# Altium PCB PCB2.PcbDoc (part 8 of 9)
Units mil, origin at the board's own origin, x right, y up, seen from the top; angles counter-clockwise.
Board outline 7580 x 7350 mil, 6 copper layers (Signal 1, Ground 1, 2V5 and 0V6, n2V5 and n0V6, Ground 2, Signal 2), stack 52.268 mil thick; 572 components, 533 nets, 2081 pads, 679 vias.
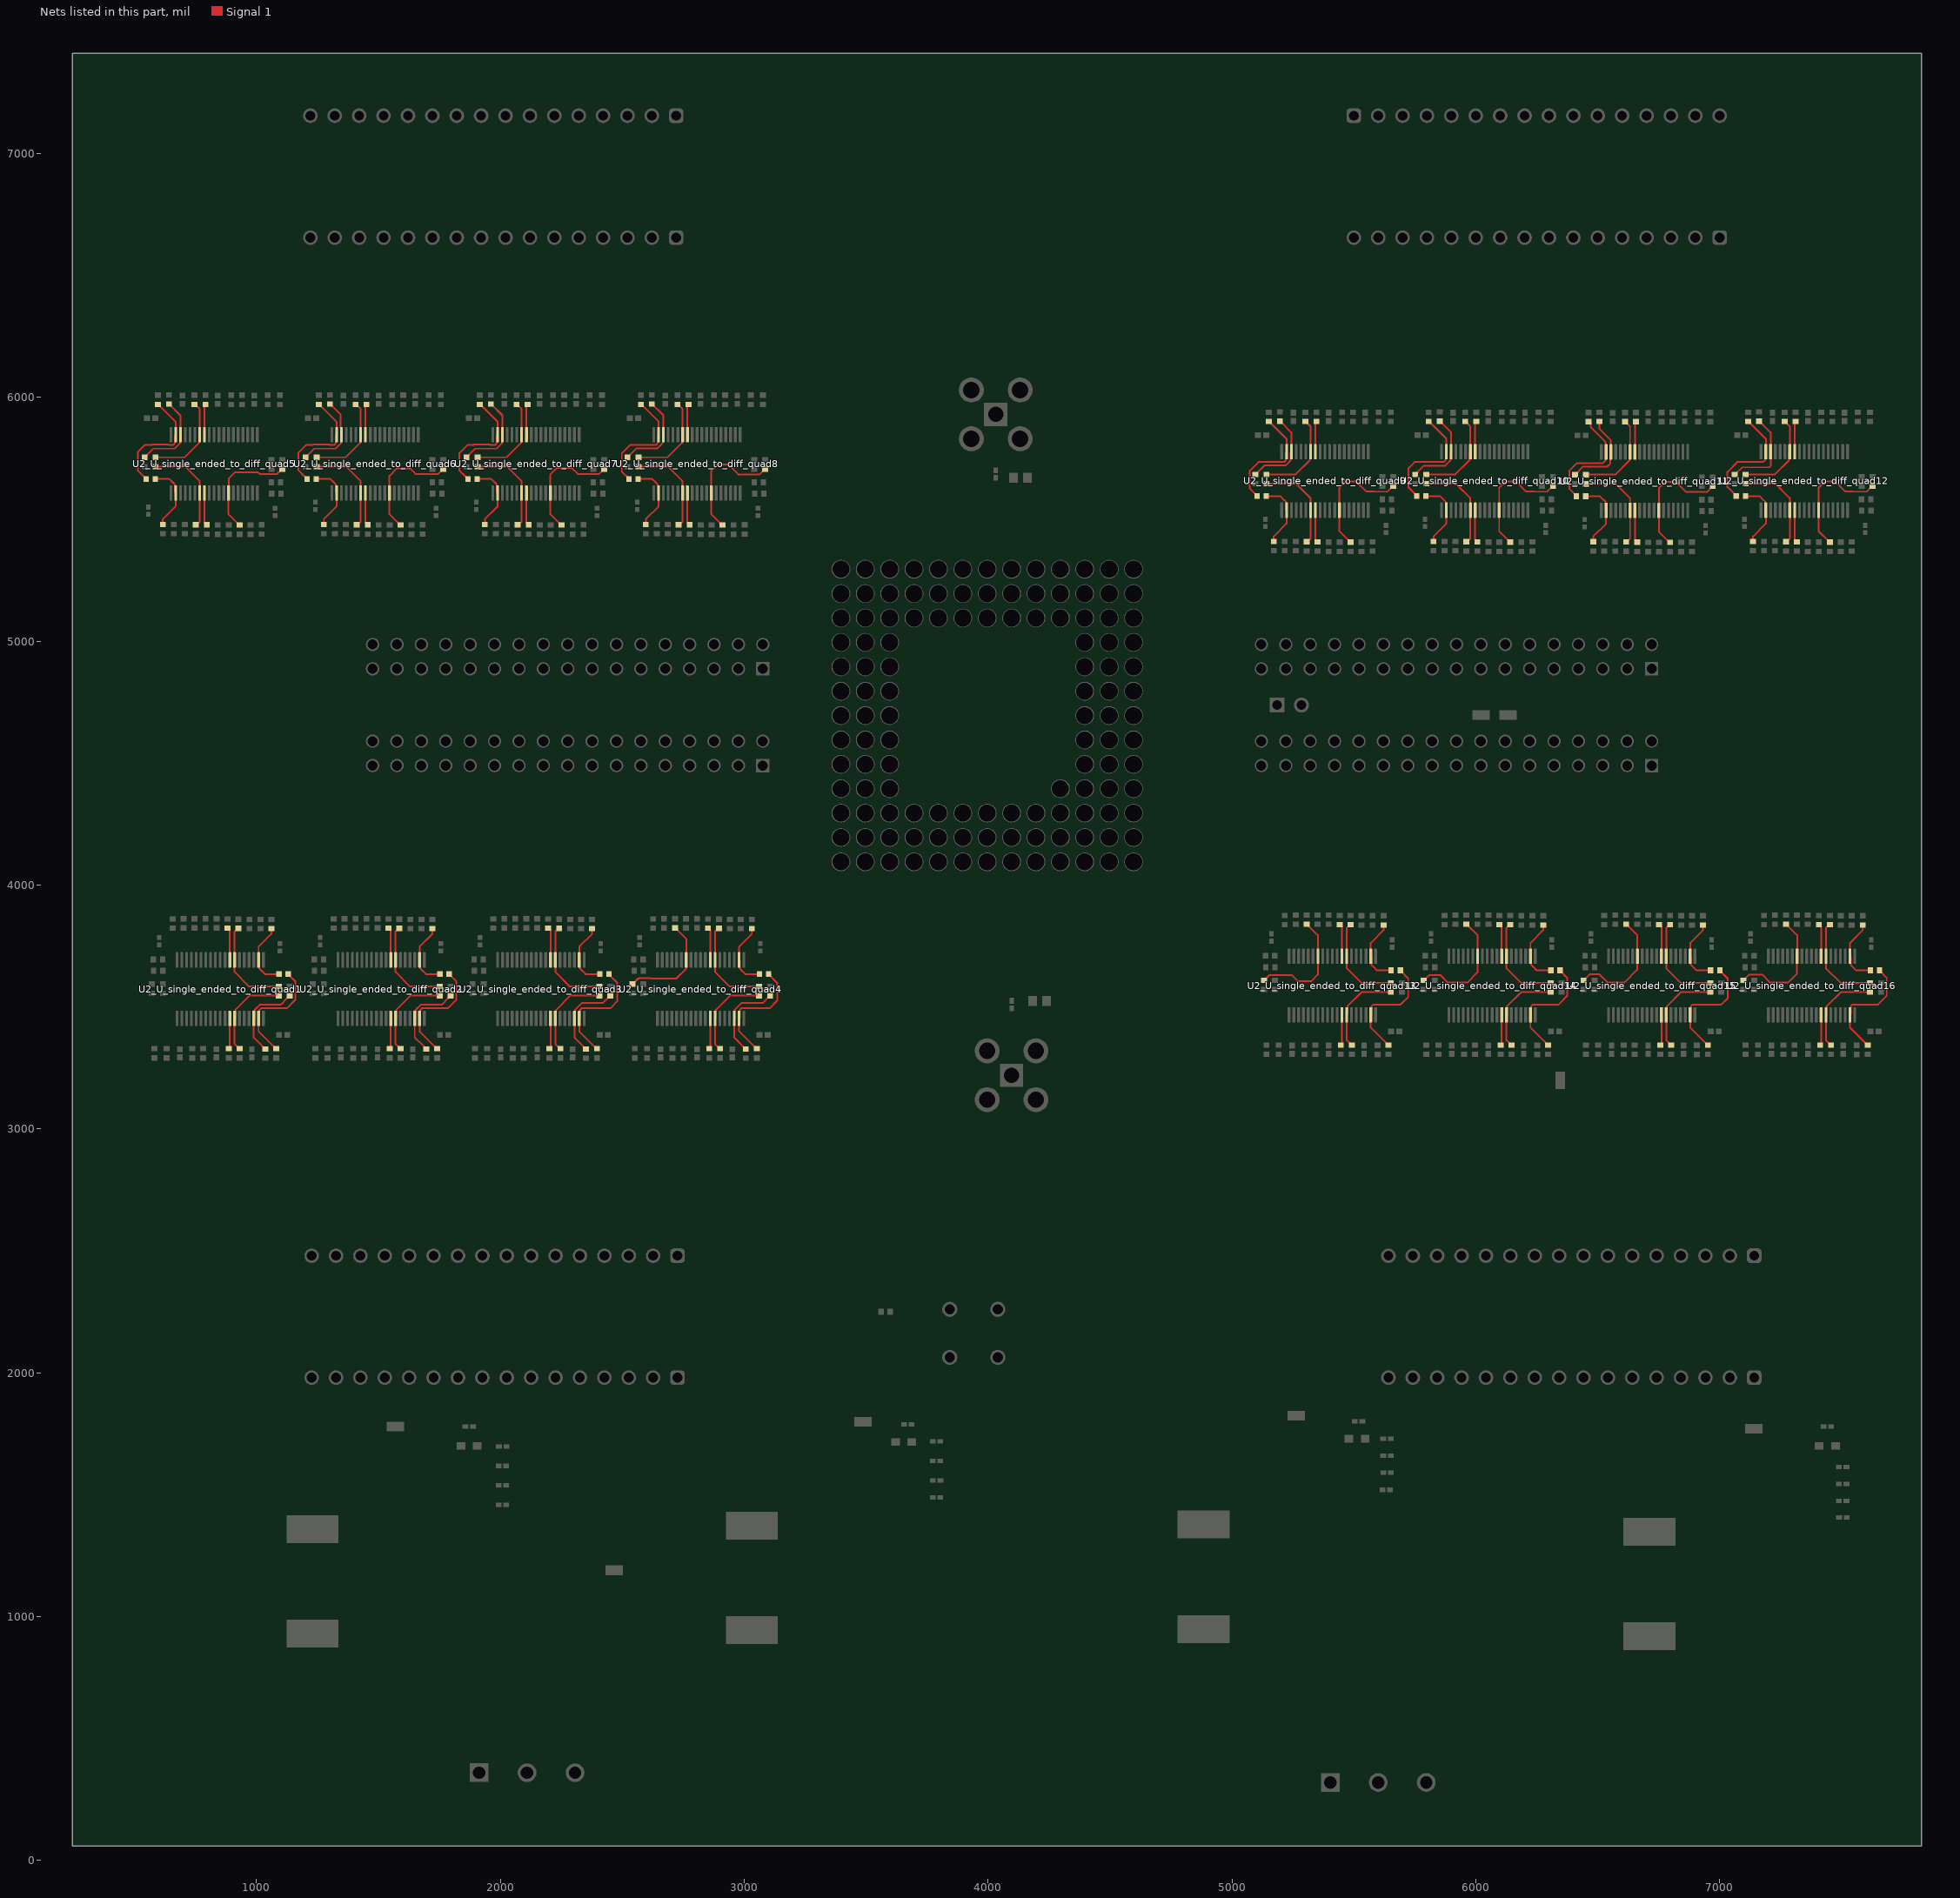
[diagram p12: the nets of this part, all layers, seen from the top]

## Via types
v1: diameter 24, hole 12, Signal 1 to Signal 2, tented both sides, 679 vias

## Nets (pads, with @x,y where several pads share a name; then routed paths per layer and width w, separated by ;. In a path a pad name is that pad's centre, name@x,y a point inside that pad or via, vN(x,y) a via of type N, cw(c..) or ccw(c..) an arc to the next point about the centre after c; other vN are vias at no path point) (continued)
NetR18_U_single_ended_to_diff_quad4_2: R18_U_single_ended_to_diff_quad4.2 R19_U_single_ended_to_diff_quad4.2 U2_U_single_ended_to_diff_quad4.32 | length 435.8
  Signal 1 w6: R18_U_single_ended_to_diff_quad4.2@2716.68,3823.9 R18_U_single_ended_to_diff_quad4.2@2717.86,3823.9
  Signal 1 w7: R19_U_single_ended_to_diff_quad4.2@2539.3,3596.28 2545.24,3596.28 2565.34,3616.38 2567.55,3616.38 2569.09,3617.92 2619.57,3617.92 2621.11,3616.38 2721.09,3616.38 2761.85,3657.13 2761.85,3692.09 U2_U_single_ended_to_diff_quad4.32@2762.63,3692.87 2762.63,3779.13 R18_U_single_ended_to_diff_quad4.2@2717.86,3823.9
NetR18_U_single_ended_to_diff_quad5_2: R18_U_single_ended_to_diff_quad5.2 R19_U_single_ended_to_diff_quad5.2 U2_U_single_ended_to_diff_quad5.32 | length 454.6
  Signal 1 w7: R18_U_single_ended_to_diff_quad5.2@931.68,5476.1 930.5,5476.1 885.74,5520.87 U2_U_single_ended_to_diff_quad5.32@885.74,5607.13 886.52,5607.91 886.52,5666.52 913,5693 1005.66,5693 1013.08,5685.58 1084.98,5685.58 1103.12,5703.72 R19_U_single_ended_to_diff_quad5.2@1109.06,5703.72
NetR18_U_single_ended_to_diff_quad6_2: R18_U_single_ended_to_diff_quad6.2 R19_U_single_ended_to_diff_quad6.2 U2_U_single_ended_to_diff_quad6.32 | length 474.8
  Signal 1 w7: R18_U_single_ended_to_diff_quad6.2@1591.68,5476.1 1590.5,5476.1 1545.74,5520.87 U2_U_single_ended_to_diff_quad6.32@1545.74,5607.13 1545.74,5677.74 1577,5709 1629.35,5709 1652.77,5685.58 1744.98,5685.58 1763.12,5703.72 R19_U_single_ended_to_diff_quad6.2@1769.06,5703.72
NetR18_U_single_ended_to_diff_quad7_2: R18_U_single_ended_to_diff_quad7.2 R19_U_single_ended_to_diff_quad7.2 U2_U_single_ended_to_diff_quad7.32 | length 478.8
  Signal 1 w7: R18_U_single_ended_to_diff_quad7.2@2251.68,5476.1 2250.5,5476.1 2205.74,5520.87 U2_U_single_ended_to_diff_quad7.32@2205.74,5607.13 2205.74,5683.74 2231.5,5709.5 2294.11,5709.5 2318.03,5685.58 2404.98,5685.58 2423.12,5703.72 R19_U_single_ended_to_diff_quad7.2@2429.06,5703.72
NetR18_U_single_ended_to_diff_quad8_2: R18_U_single_ended_to_diff_quad8.2 R19_U_single_ended_to_diff_quad8.2 U2_U_single_ended_to_diff_quad8.32 | length 502.7
  Signal 1 w7: R18_U_single_ended_to_diff_quad8.2@2911.68,5476.1 2910.5,5476.1 2865.74,5520.87 U2_U_single_ended_to_diff_quad8.32@2865.74,5607.13 2865.74,5699.06 2891.68,5725 2934.72,5725 2976.1,5683.62 3007.25,5683.62 3007.79,5683.08 3062.48,5683.08 3083.12,5703.72 R19_U_single_ended_to_diff_quad8.2@3089.06,5703.72
NetR18_U_single_ended_to_diff_quad9_2: R18_U_single_ended_to_diff_quad9.2 R19_U_single_ended_to_diff_quad9.2 U2_U_single_ended_to_diff_quad9.32 | length 502.7
  Signal 1 w7: R18_U_single_ended_to_diff_quad9.2@5486.68,5406.1 5485.5,5406.1 5440.74,5450.87 U2_U_single_ended_to_diff_quad9.32@5440.74,5537.13 5440.74,5629.06 5466.68,5655 5509.72,5655 5551.1,5613.62 5582.25,5613.62 5582.79,5613.08 5637.48,5613.08 5658.12,5633.72 R19_U_single_ended_to_diff_quad9.2@5664.06,5633.72
NetR18_U_single_ended_to_diff_quad10_2: R18_U_single_ended_to_diff_quad10.2 R19_U_single_ended_to_diff_quad10.2 U2_U_single_ended_to_diff_quad10.32 | length 502.7
  Signal 1 w7: R18_U_single_ended_to_diff_quad10.2@6141.68,5406.1 6140.5,5406.1 6095.74,5450.87 U2_U_single_ended_to_diff_quad10.32@6095.74,5537.13 6095.74,5629.06 6121.68,5655 6164.72,5655 6206.1,5613.62 6237.25,5613.62 6237.79,5613.08 6292.48,5613.08 6313.12,5633.72 R19_U_single_ended_to_diff_quad10.2@6319.06,5633.72
NetR18_U_single_ended_to_diff_quad11_2: R18_U_single_ended_to_diff_quad11.2 R19_U_single_ended_to_diff_quad11.2 U2_U_single_ended_to_diff_quad11.32 | length 502.7
  Signal 1 w7: R18_U_single_ended_to_diff_quad11.2@6796.68,5405 6795.5,5405 6750.74,5449.76 U2_U_single_ended_to_diff_quad11.32@6750.74,5536.02 6750.74,5627.95 6776.68,5653.9 6819.72,5653.9 6861.1,5612.52 6892.25,5612.52 6892.79,5611.98 6947.48,5611.98 6968.12,5632.62 R19_U_single_ended_to_diff_quad11.2@6974.06,5632.62
NetR18_U_single_ended_to_diff_quad12_2: R18_U_single_ended_to_diff_quad12.2 R19_U_single_ended_to_diff_quad12.2 U2_U_single_ended_to_diff_quad12.32 | length 502.7
  Signal 1 w7: R18_U_single_ended_to_diff_quad12.2@7451.68,5406.1 7450.5,5406.1 7405.74,5450.87 U2_U_single_ended_to_diff_quad12.32@7405.74,5537.13 7405.74,5629.06 7431.68,5655 7474.72,5655 7516.1,5613.62 7547.25,5613.62 7547.79,5613.08 7602.48,5613.08 7623.12,5633.72 R19_U_single_ended_to_diff_quad12.2@7629.06,5633.72
NetR18_U_single_ended_to_diff_quad13_2: R18_U_single_ended_to_diff_quad13.2 R19_U_single_ended_to_diff_quad13.2 U2_U_single_ended_to_diff_quad13.32 | length 473.7
  Signal 1 w7: R19_U_single_ended_to_diff_quad13.2@5135.24,3611.28 5154.89,3630.92 5245.43,3630.92 5271.35,3605 5325,3605 5352.63,3632.63 U2_U_single_ended_to_diff_quad13.32@5352.63,3707.87 5352.63,3794.13 5307.86,3838.9 R18_U_single_ended_to_diff_quad13.2@5306.68,3838.9
NetR18_U_single_ended_to_diff_quad14_2: R18_U_single_ended_to_diff_quad14.2 R19_U_single_ended_to_diff_quad14.2 U2_U_single_ended_to_diff_quad14.32 | length 472
  Signal 1 w7: R19_U_single_ended_to_diff_quad14.2@5790.24,3611.28 5809.89,3630.92 5854.08,3630.92 5885,3600 5965,3600 6006.85,3641.85 6006.85,3707.09 U2_U_single_ended_to_diff_quad14.32@6007.63,3707.87 6007.63,3794.13 5962.86,3838.9 R18_U_single_ended_to_diff_quad14.2@5961.68,3838.9
NetR18_U_single_ended_to_diff_quad15_2: R18_U_single_ended_to_diff_quad15.2 R19_U_single_ended_to_diff_quad15.2 U2_U_single_ended_to_diff_quad15.32 | length 468.4
  Signal 1 w7: R19_U_single_ended_to_diff_quad15.2@6445.24,3611.28 6468.97,3635 6505,3635 6539,3601 6610.49,3601 6661.85,3652.36 6661.85,3707.09 U2_U_single_ended_to_diff_quad15.32@6662.63,3707.87 6662.63,3794.13 6617.86,3838.9 R18_U_single_ended_to_diff_quad15.2@6616.68,3838.9
NetR18_U_single_ended_to_diff_quad16_2: R18_U_single_ended_to_diff_quad16.2 R19_U_single_ended_to_diff_quad16.2 U2_U_single_ended_to_diff_quad16.32 | length 476.6
  Signal 1 w7: R19_U_single_ended_to_diff_quad16.2@7100.24,3611.28 7121.89,3632.92 7174.57,3632.92 7207.49,3600 7280,3600 7316.85,3636.85 7316.85,3707.09 U2_U_single_ended_to_diff_quad16.32@7317.63,3707.87 7317.63,3794.13 7272.86,3838.9 R18_U_single_ended_to_diff_quad16.2@7271.68,3838.9
NetR20_U_single_ended_to_diff_quad1_1: R20_U_single_ended_to_diff_quad1.1 R21_U_single_ended_to_diff_quad1.2 U2_U_single_ended_to_diff_quad1.13 | length 371.6
  Signal 1 w7: R21_U_single_ended_to_diff_quad1.2@931.68,3328.9 930.5,3328.9 910.74,3348.66 U2_U_single_ended_to_diff_quad1.13@910.74,3452.72 913.52,3455.5 913.52,3487.63 971.99,3546.1 R20_U_single_ended_to_diff_quad1.1@1091.68,3546.1
NetR20_U_single_ended_to_diff_quad1_2: R20_U_single_ended_to_diff_quad1.2 R22_U_single_ended_to_diff_quad1.2 U2_U_single_ended_to_diff_quad1.26 | length 393.4
  Signal 1 w6: R22_U_single_ended_to_diff_quad1.2@925.5,3823.9 R22_U_single_ended_to_diff_quad1.2@926.68,3823.9
  Signal 1 w7: R22_U_single_ended_to_diff_quad1.2@925.5,3823.9 910.74,3809.13 U2_U_single_ended_to_diff_quad1.26@910.74,3692.87 910.74,3643.42 970.26,3583.9 R20_U_single_ended_to_diff_quad1.2@1091.68,3583.9
NetR20_U_single_ended_to_diff_quad2_1: R20_U_single_ended_to_diff_quad2.1 R21_U_single_ended_to_diff_quad2.2 U2_U_single_ended_to_diff_quad2.13 | length 371.6
  Signal 1 w7: R21_U_single_ended_to_diff_quad2.2@1591.68,3328.9 1590.5,3328.9 1570.74,3348.66 U2_U_single_ended_to_diff_quad2.13@1570.74,3452.72 1573.52,3455.5 1573.52,3487.63 1631.99,3546.1 R20_U_single_ended_to_diff_quad2.1@1751.68,3546.1
NetR20_U_single_ended_to_diff_quad2_2: R20_U_single_ended_to_diff_quad2.2 R22_U_single_ended_to_diff_quad2.2 U2_U_single_ended_to_diff_quad2.26 | length 393.4
  Signal 1 w7: R22_U_single_ended_to_diff_quad2.2@1586.68,3823.9 1585.5,3823.9 1570.74,3809.13 U2_U_single_ended_to_diff_quad2.26@1570.74,3692.87 1570.74,3643.42 1630.26,3583.9 R20_U_single_ended_to_diff_quad2.2@1751.68,3583.9
NetR20_U_single_ended_to_diff_quad3_1: R20_U_single_ended_to_diff_quad3.1 R21_U_single_ended_to_diff_quad3.2 U2_U_single_ended_to_diff_quad3.13 | length 371.6
  Signal 1 w7: R21_U_single_ended_to_diff_quad3.2@2246.68,3328.9 2245.5,3328.9 2225.74,3348.66 U2_U_single_ended_to_diff_quad3.13@2225.74,3452.72 2228.52,3455.5 2228.52,3487.63 2286.99,3546.1 R20_U_single_ended_to_diff_quad3.1@2406.68,3546.1
NetR20_U_single_ended_to_diff_quad3_2: R20_U_single_ended_to_diff_quad3.2 R22_U_single_ended_to_diff_quad3.2 U2_U_single_ended_to_diff_quad3.26 | length 393.4
  Signal 1 w6: R22_U_single_ended_to_diff_quad3.2@2240.5,3823.9 R22_U_single_ended_to_diff_quad3.2@2241.68,3823.9
  Signal 1 w7: R22_U_single_ended_to_diff_quad3.2@2240.5,3823.9 2225.74,3809.13 U2_U_single_ended_to_diff_quad3.26@2225.74,3692.87 2225.74,3643.42 2285.26,3583.9 R20_U_single_ended_to_diff_quad3.2@2406.68,3583.9
NetR20_U_single_ended_to_diff_quad4_1: R20_U_single_ended_to_diff_quad4.1 R21_U_single_ended_to_diff_quad4.2 U2_U_single_ended_to_diff_quad4.13 | length 371.6
  Signal 1 w7: R21_U_single_ended_to_diff_quad4.2@2901.68,3328.9 2900.5,3328.9 2880.74,3348.66 U2_U_single_ended_to_diff_quad4.13@2880.74,3452.72 2883.52,3455.5 2883.52,3487.63 2941.99,3546.1 R20_U_single_ended_to_diff_quad4.1@3061.68,3546.1
NetR20_U_single_ended_to_diff_quad4_2: R20_U_single_ended_to_diff_quad4.2 R22_U_single_ended_to_diff_quad4.2 U2_U_single_ended_to_diff_quad4.26 | length 393.4
  Signal 1 w6: R22_U_single_ended_to_diff_quad4.2@2895.5,3823.9 R22_U_single_ended_to_diff_quad4.2@2896.68,3823.9
  Signal 1 w7: R22_U_single_ended_to_diff_quad4.2@2895.5,3823.9 2880.74,3809.13 U2_U_single_ended_to_diff_quad4.26@2880.74,3692.87 2880.74,3643.42 2940.26,3583.9 R20_U_single_ended_to_diff_quad4.2@3061.68,3583.9
NetR20_U_single_ended_to_diff_quad5_1: R20_U_single_ended_to_diff_quad5.1 R21_U_single_ended_to_diff_quad5.2 U2_U_single_ended_to_diff_quad5.13 | length 371.6
  Signal 1 w7: R20_U_single_ended_to_diff_quad5.1@586.68,5753.9 706.37,5753.9 764.85,5812.37 764.85,5844.5 U2_U_single_ended_to_diff_quad5.13@767.63,5847.28 767.63,5951.34 747.86,5971.1 R21_U_single_ended_to_diff_quad5.2@746.68,5971.1
NetR20_U_single_ended_to_diff_quad5_2: R20_U_single_ended_to_diff_quad5.2 R22_U_single_ended_to_diff_quad5.2 U2_U_single_ended_to_diff_quad5.26 | length 393.4
  Signal 1 w7: R20_U_single_ended_to_diff_quad5.2@586.68,5716.1 708.11,5716.1 767.63,5656.58 U2_U_single_ended_to_diff_quad5.26@767.63,5607.13 767.63,5490.87 752.86,5476.1 R22_U_single_ended_to_diff_quad5.2@751.68,5476.1
NetR20_U_single_ended_to_diff_quad6_1: R20_U_single_ended_to_diff_quad6.1 R21_U_single_ended_to_diff_quad6.2 U2_U_single_ended_to_diff_quad6.13 | length 371.6
  Signal 1 w7: R20_U_single_ended_to_diff_quad6.1@1246.68,5753.9 1366.37,5753.9 1424.85,5812.37 1424.85,5844.5 U2_U_single_ended_to_diff_quad6.13@1427.63,5847.28 1427.63,5951.34 1407.86,5971.1 R21_U_single_ended_to_diff_quad6.2@1406.68,5971.1
NetR20_U_single_ended_to_diff_quad6_2: R20_U_single_ended_to_diff_quad6.2 R22_U_single_ended_to_diff_quad6.2 U2_U_single_ended_to_diff_quad6.26 | length 393.4
  Signal 1 w7: R20_U_single_ended_to_diff_quad6.2@1246.68,5716.1 1368.11,5716.1 1427.63,5656.58 U2_U_single_ended_to_diff_quad6.26@1427.63,5607.13 1427.63,5490.87 1412.86,5476.1 R22_U_single_ended_to_diff_quad6.2@1411.68,5476.1
NetR20_U_single_ended_to_diff_quad7_1: R20_U_single_ended_to_diff_quad7.1 R21_U_single_ended_to_diff_quad7.2 U2_U_single_ended_to_diff_quad7.13 | length 371.6
  Signal 1 w7: R20_U_single_ended_to_diff_quad7.1@1906.68,5753.9 2026.37,5753.9 2084.85,5812.37 2084.85,5844.5 U2_U_single_ended_to_diff_quad7.13@2087.63,5847.28 2087.63,5951.34 2067.86,5971.1 R21_U_single_ended_to_diff_quad7.2@2066.68,5971.1
NetR20_U_single_ended_to_diff_quad7_2: R20_U_single_ended_to_diff_quad7.2 R22_U_single_ended_to_diff_quad7.2 U2_U_single_ended_to_diff_quad7.26 | length 393.4
  Signal 1 w7: R20_U_single_ended_to_diff_quad7.2@1906.68,5716.1 2028.11,5716.1 2087.63,5656.58 U2_U_single_ended_to_diff_quad7.26@2087.63,5607.13 2087.63,5490.87 2072.86,5476.1 R22_U_single_ended_to_diff_quad7.2@2071.68,5476.1
NetR20_U_single_ended_to_diff_quad8_1: R20_U_single_ended_to_diff_quad8.1 R21_U_single_ended_to_diff_quad8.2 U2_U_single_ended_to_diff_quad8.13 | length 371.6
  Signal 1 w7: R20_U_single_ended_to_diff_quad8.1@2566.68,5753.9 2686.37,5753.9 2744.85,5812.37 2744.85,5844.5 U2_U_single_ended_to_diff_quad8.13@2747.63,5847.28 2747.63,5951.34 2727.86,5971.1 R21_U_single_ended_to_diff_quad8.2@2726.68,5971.1
NetR20_U_single_ended_to_diff_quad8_2: R20_U_single_ended_to_diff_quad8.2 R22_U_single_ended_to_diff_quad8.2 U2_U_single_ended_to_diff_quad8.26 | length 393.4
  Signal 1 w7: R20_U_single_ended_to_diff_quad8.2@2566.68,5716.1 2688.11,5716.1 2747.63,5656.58 U2_U_single_ended_to_diff_quad8.26@2747.63,5607.13 2747.63,5490.87 2732.86,5476.1 R22_U_single_ended_to_diff_quad8.2@2731.68,5476.1
NetR20_U_single_ended_to_diff_quad9_1: R20_U_single_ended_to_diff_quad9.1 R21_U_single_ended_to_diff_quad9.2 U2_U_single_ended_to_diff_quad9.13 | length 371.6
  Signal 1 w7: R20_U_single_ended_to_diff_quad9.1@5141.68,5683.9 5261.37,5683.9 5319.85,5742.37 5319.85,5774.5 U2_U_single_ended_to_diff_quad9.13@5322.63,5777.28 5322.63,5881.34 5302.86,5901.1 R21_U_single_ended_to_diff_quad9.2@5301.68,5901.1
NetR20_U_single_ended_to_diff_quad9_2: R20_U_single_ended_to_diff_quad9.2 R22_U_single_ended_to_diff_quad9.2 U2_U_single_ended_to_diff_quad9.26 | length 393.4
  Signal 1 w7: R20_U_single_ended_to_diff_quad9.2@5141.68,5646.1 5263.11,5646.1 5322.63,5586.58 U2_U_single_ended_to_diff_quad9.26@5322.63,5537.13 5322.63,5420.87 5307.86,5406.1 R22_U_single_ended_to_diff_quad9.2@5306.68,5406.1
NetR20_U_single_ended_to_diff_quad10_1: R20_U_single_ended_to_diff_quad10.1 R21_U_single_ended_to_diff_quad10.2 U2_U_single_ended_to_diff_quad10.13 | length 371.6
  Signal 1 w7: R20_U_single_ended_to_diff_quad10.1@5796.68,5683.9 5916.37,5683.9 5974.85,5742.37 5974.85,5774.5 U2_U_single_ended_to_diff_quad10.13@5977.63,5777.28 5977.63,5881.34 5957.86,5901.1 R21_U_single_ended_to_diff_quad10.2@5956.68,5901.1
NetR20_U_single_ended_to_diff_quad10_2: R20_U_single_ended_to_diff_quad10.2 R22_U_single_ended_to_diff_quad10.2 U2_U_single_ended_to_diff_quad10.26 | length 393.4
  Signal 1 w7: R20_U_single_ended_to_diff_quad10.2@5796.68,5646.1 5918.11,5646.1 5977.63,5586.58 U2_U_single_ended_to_diff_quad10.26@5977.63,5537.13 5977.63,5420.87 5962.86,5406.1 R22_U_single_ended_to_diff_quad10.2@5961.68,5406.1
NetR20_U_single_ended_to_diff_quad11_1: R20_U_single_ended_to_diff_quad11.1 R21_U_single_ended_to_diff_quad11.2 U2_U_single_ended_to_diff_quad11.13 | length 371.6
  Signal 1 w7: R20_U_single_ended_to_diff_quad11.1@6451.68,5682.8 6571.37,5682.8 6629.85,5741.27 6629.85,5773.4 U2_U_single_ended_to_diff_quad11.13@6632.63,5776.18 6632.63,5880.24 6612.86,5900 R21_U_single_ended_to_diff_quad11.2@6611.68,5900
NetR20_U_single_ended_to_diff_quad11_2: R20_U_single_ended_to_diff_quad11.2 R22_U_single_ended_to_diff_quad11.2 U2_U_single_ended_to_diff_quad11.26 | length 393.4
  Signal 1 w7: R20_U_single_ended_to_diff_quad11.2@6451.68,5645 6573.11,5645 6632.63,5585.48 U2_U_single_ended_to_diff_quad11.26@6632.63,5536.02 6632.63,5419.76 6617.86,5405 R22_U_single_ended_to_diff_quad11.2@6616.68,5405
NetR20_U_single_ended_to_diff_quad12_1: R20_U_single_ended_to_diff_quad12.1 R21_U_single_ended_to_diff_quad12.2 U2_U_single_ended_to_diff_quad12.13 | length 371.6
  Signal 1 w7: R20_U_single_ended_to_diff_quad12.1@7106.68,5683.9 7226.37,5683.9 7284.85,5742.37 7284.85,5774.5 U2_U_single_ended_to_diff_quad12.13@7287.63,5777.28 7287.63,5881.34 7267.86,5901.1 R21_U_single_ended_to_diff_quad12.2@7266.68,5901.1
NetR20_U_single_ended_to_diff_quad12_2: R20_U_single_ended_to_diff_quad12.2 R22_U_single_ended_to_diff_quad12.2 U2_U_single_ended_to_diff_quad12.26 | length 393.4
  Signal 1 w7: R20_U_single_ended_to_diff_quad12.2@7106.68,5646.1 7228.11,5646.1 7287.63,5586.58 U2_U_single_ended_to_diff_quad12.26@7287.63,5537.13 7287.63,5420.87 7272.86,5406.1 R22_U_single_ended_to_diff_quad12.2@7271.68,5406.1
NetR20_U_single_ended_to_diff_quad13_1: R20_U_single_ended_to_diff_quad13.1 R21_U_single_ended_to_diff_quad13.2 U2_U_single_ended_to_diff_quad13.13 | length 371.6
  Signal 1 w7: R21_U_single_ended_to_diff_quad13.2@5491.68,3343.9 5490.5,3343.9 5470.74,3363.66 U2_U_single_ended_to_diff_quad13.13@5470.74,3467.72 5473.52,3470.5 5473.52,3502.63 5531.99,3561.1 R20_U_single_ended_to_diff_quad13.1@5651.68,3561.1
NetR20_U_single_ended_to_diff_quad13_2: R20_U_single_ended_to_diff_quad13.2 R22_U_single_ended_to_diff_quad13.2 U2_U_single_ended_to_diff_quad13.26 | length 393.4
  Signal 1 w7: R22_U_single_ended_to_diff_quad13.2@5486.68,3838.9 5485.5,3838.9 5470.74,3824.13 U2_U_single_ended_to_diff_quad13.26@5470.74,3707.87 5470.74,3658.42 5530.26,3598.9 R20_U_single_ended_to_diff_quad13.2@5651.68,3598.9
NetR20_U_single_ended_to_diff_quad14_1: R20_U_single_ended_to_diff_quad14.1 R21_U_single_ended_to_diff_quad14.2 U2_U_single_ended_to_diff_quad14.13 | length 371.6
  Signal 1 w7: R21_U_single_ended_to_diff_quad14.2@6146.68,3343.9 6145.5,3343.9 6125.74,3363.66 U2_U_single_ended_to_diff_quad14.13@6125.74,3467.72 6128.52,3470.5 6128.52,3502.63 6186.99,3561.1 R20_U_single_ended_to_diff_quad14.1@6306.68,3561.1
NetR20_U_single_ended_to_diff_quad14_2: R20_U_single_ended_to_diff_quad14.2 R22_U_single_ended_to_diff_quad14.2 U2_U_single_ended_to_diff_quad14.26 | length 393.4
  Signal 1 w7: R22_U_single_ended_to_diff_quad14.2@6141.68,3838.9 6140.5,3838.9 6125.74,3824.13 U2_U_single_ended_to_diff_quad14.26@6125.74,3707.87 6125.74,3658.42 6185.26,3598.9 R20_U_single_ended_to_diff_quad14.2@6306.68,3598.9
NetR20_U_single_ended_to_diff_quad15_1: R20_U_single_ended_to_diff_quad15.1 R21_U_single_ended_to_diff_quad15.2 U2_U_single_ended_to_diff_quad15.13 | length 371.6
  Signal 1 w7: R21_U_single_ended_to_diff_quad15.2@6801.68,3343.9 6800.5,3343.9 6780.74,3363.66 U2_U_single_ended_to_diff_quad15.13@6780.74,3467.72 6783.52,3470.5 6783.52,3502.63 6841.99,3561.1 R20_U_single_ended_to_diff_quad15.1@6961.68,3561.1
NetR20_U_single_ended_to_diff_quad15_2: R20_U_single_ended_to_diff_quad15.2 R22_U_single_ended_to_diff_quad15.2 U2_U_single_ended_to_diff_quad15.26 | length 393.4
  Signal 1 w7: R22_U_single_ended_to_diff_quad15.2@6796.68,3838.9 6795.5,3838.9 6780.74,3824.13 U2_U_single_ended_to_diff_quad15.26@6780.74,3707.87 6780.74,3658.42 6840.26,3598.9 R20_U_single_ended_to_diff_quad15.2@6961.68,3598.9
NetR20_U_single_ended_to_diff_quad16_1: R20_U_single_ended_to_diff_quad16.1 R21_U_single_ended_to_diff_quad16.2 U2_U_single_ended_to_diff_quad16.13 | length 371.6
  Signal 1 w7: R21_U_single_ended_to_diff_quad16.2@7456.68,3343.9 7455.5,3343.9 7435.74,3363.66 U2_U_single_ended_to_diff_quad16.13@7435.74,3467.72 7438.52,3470.5 7438.52,3502.63 7496.99,3561.1 R20_U_single_ended_to_diff_quad16.1@7616.68,3561.1
NetR20_U_single_ended_to_diff_quad16_2: R20_U_single_ended_to_diff_quad16.2 R22_U_single_ended_to_diff_quad16.2 U2_U_single_ended_to_diff_quad16.26 | length 393.4
  Signal 1 w7: R22_U_single_ended_to_diff_quad16.2@7451.68,3838.9 7450.5,3838.9 7435.74,3824.13 U2_U_single_ended_to_diff_quad16.26@7435.74,3707.87 7435.74,3658.42 7495.26,3598.9 R20_U_single_ended_to_diff_quad16.2@7616.68,3598.9
NetR23_U_single_ended_to_diff_quad1_2: R23_U_single_ended_to_diff_quad1.2 U2_U_single_ended_to_diff_quad1.12 | length 125.6
  Signal 1 w7: R23_U_single_ended_to_diff_quad1.2@886.68,3328.9 891.05,3333.27 U2_U_single_ended_to_diff_quad1.12@891.05,3452.72
NetR23_U_single_ended_to_diff_quad2_2: R23_U_single_ended_to_diff_quad2.2 U2_U_single_ended_to_diff_quad2.12 | length 125.6
  Signal 1 w7: R23_U_single_ended_to_diff_quad2.2@1546.68,3328.9 1551.05,3333.27 U2_U_single_ended_to_diff_quad2.12@1551.05,3452.72
NetR23_U_single_ended_to_diff_quad3_2: R23_U_single_ended_to_diff_quad3.2 U2_U_single_ended_to_diff_quad3.12 | length 125.6
  Signal 1 w7: R23_U_single_ended_to_diff_quad3.2@2201.68,3328.9 2206.05,3333.27 U2_U_single_ended_to_diff_quad3.12@2206.05,3452.72